# Altium PCB PiMX8MPIO_r0.1.PcbDoc (part 2 of 5)
Units mm, origin at the board's own origin, x right, y up, seen from the top; angles counter-clockwise.
Board outline 55 x 40 mm, 8 copper layers (L1 Top, L2 GND, L3 SIG, L4 GND, L5 (PWR), L6 SIG, L7 GND, L8 SIG), stack 1.624 mm thick; 131 components, 147 nets, 777 pads, 700 vias.
Unrouted connection lines stored in the file: 1.
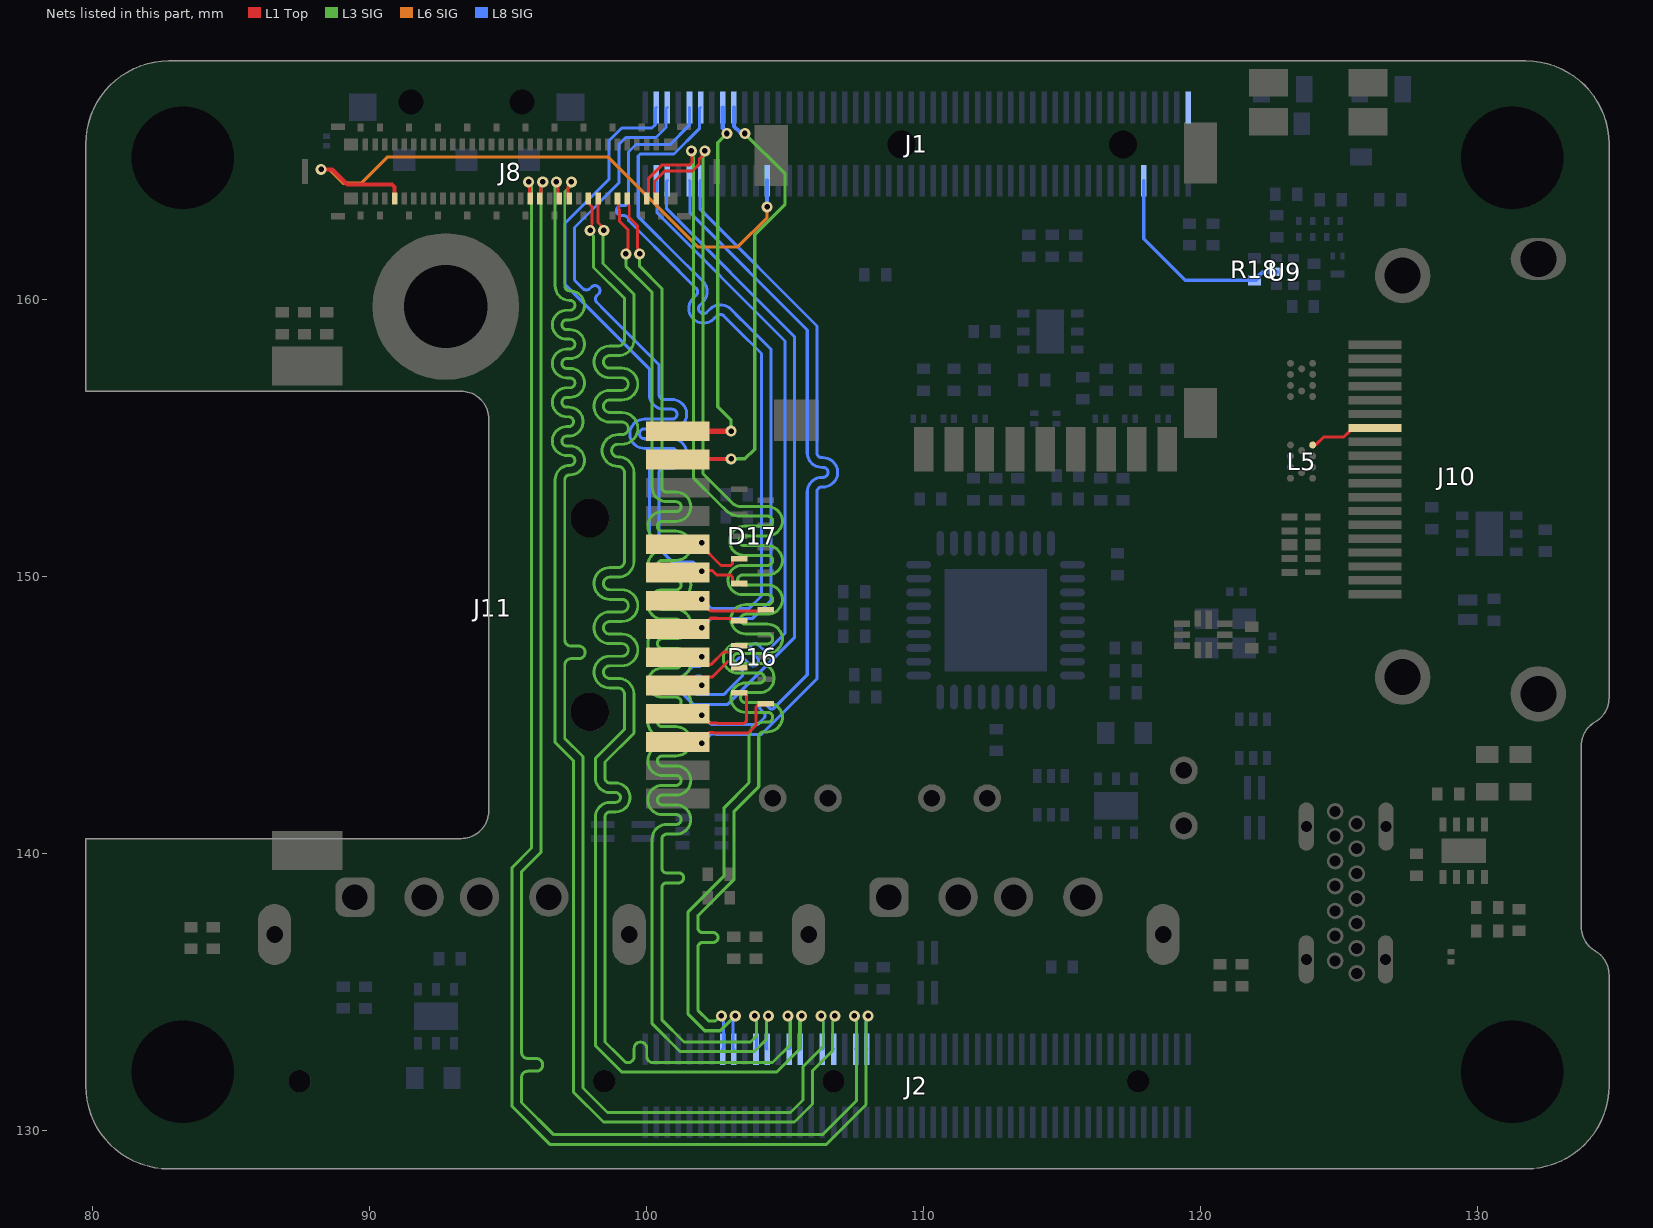
[diagram p8: the nets of this part, all layers, seen from the top]

## Via types
v1: diameter 0.4, hole 0.2, L1 Top to L8 SIG, tented both sides, 700 vias

## Nets (pads, with @x,y where several pads share a name; then routed paths per layer and width w, separated by ;. In a path a pad name is that pad's centre, name@x,y a point inside that pad or via, vN(x,y) a via of type N, cw(c..) or ccw(c..) an arc to the next point about the centre after c; other vN are vias at no path point) (continued)
CON_HDMI_TX0_ESD_P: J10.7 L5.A1 | length 2.5
  L1 Top w0.109: L5.A1@124.05,154.746 124.077,154.773 124.183,154.773 124.447,155.037 125.17,155.037 125.29,155.157 125.294,155.157 125.5,155.362 J10.7@126.3,155.362
CPU_RUN_PG: J1.92 R18.2 U9.2 | length 7.7
  L8 SIG w0.123: J1.92@117.95,164.292 117.95,162.196 119.445,160.701 R18.2@121.95,160.701 R18.2@122,160.701
  L8 SIG w0.15: R18.2@122,160.701 122.115,160.816 122.115,160.861 122.25,160.996 U9.2@122.75,160.996
CSI_CLK_N: J2.27 J8.13 | length 52.7
  L1 Top w0.105: J8.13@98.25,163.646 98.25,163.276 98.25,162.777 98.455,162.573 v1(98.455,162.496)
  L3 SIG w0.105: v1(98.455,162.496) 98.431,162.473 98.431,161.303 99.545,160.189 99.545,159.572 99.545,158.547 cw(c98.973,158.547) 98.973,157.975 98.671,157.975 ccw(c98.671,157.747) 98.671,157.52 99.11,157.52 cw(c99.11,156.947) 99.11,156.375 98.671,156.375 ccw(c98.671,156.147) 98.671,155.92 99.11,155.92 cw(c99.11,155.347) 99.11,154.775 98.965,154.775 ccw(c98.965,154.547) 98.965,154.32 98.973,154.32 cw(c98.973,153.747) 99.545,153.747 99.545,150.547 cw(c98.973,150.547) 98.973,149.975 98.671,149.975 ccw(c98.671,149.747) 98.671,149.52 99.11,149.52 cw(c99.11,148.947) 99.11,148.375 98.671,148.375 ccw(c98.671,148.147) 98.671,147.92 99.11,147.92 cw(c99.11,147.347) 99.11,146.775 98.671,146.775 ccw(c98.671,146.547) 98.671,146.32 98.973,146.32 cw(c98.973,145.747) 99.545,145.747 99.545,145.049 99.545,144.341 98.5,143.296 98.5,142.946 98.5,142.721 ccw(c98.678,142.721) 98.678,142.544 98.879,142.544 cw(c98.879,142.021) 98.879,141.499 98.678,141.499 ccw(c98.678,141.321) 98.5,141.321 98.5,139.932 98.5,133.196 99,132.696 99.25,132.446 99.323,132.446 ccw(c99.323,132.674) 99.551,132.674 99.551,132.963 cw(c99.778,132.963) 100.006,132.963 100.006,132.674 ccw(c100.233,132.674) 100.233,132.446 100.741,132.446 104.55,132.446 105.178,133.074 105.178,133.927 105.156,133.948 105.156,134.08 v1(105.1,134.136)
  L8 SIG w0.105: J2.27@105.15,132.932 105.198,132.98 105.198,133.504 105.205,133.511 105.205,133.727 105.205,133.929
CSI_CLK_P: J2.29 J8.15 | length 52.7
  L1 Top w0.105: J8.15@97.9,163.646 97.948,163.599 97.948,163.427 98.008,163.367 98.008,163.362 98.025,163.345 98.025,163.183 98.025,162.751 98.021,162.747 98.021,162.598 v1@97.965,162.542
  L3 SIG w0.105: v1(97.965,162.496) 97.965,162.417 98.086,162.295 98.086,161.16 99.2,160.046 99.2,159.572 99.2,158.547 cw(c98.973,158.547) 98.973,158.32 98.671,158.32 ccw(c98.671,157.747) 98.671,157.175 99.11,157.175 cw(c99.11,156.947) 99.11,156.72 98.671,156.72 ccw(c98.671,156.147) 98.671,155.575 99.11,155.575 cw(c99.11,155.347) 99.11,155.12 98.965,155.12 ccw(c98.965,154.547) 98.965,153.975 98.973,153.975 cw(c98.973,153.747) 99.2,153.747 99.2,150.547 cw(c98.973,150.547) 98.973,150.32 98.671,150.32 ccw(c98.671,149.747) 98.671,149.175 99.11,149.175 cw(c99.11,148.947) 99.11,148.72 98.671,148.72 ccw(c98.671,148.147) 98.671,147.575 99.11,147.575 cw(c99.11,147.347) 99.11,147.12 98.671,147.12 ccw(c98.671,146.547) 98.671,145.975 98.973,145.975 cw(c98.973,145.747) 99.2,145.747 99.2,145.049 99.2,144.484 98.155,143.439 98.155,142.946 98.155,142.721 ccw(c98.678,142.721) 98.678,142.199 98.879,142.199 cw(c98.879,142.021) 98.879,141.844 98.678,141.844 ccw(c98.678,141.321) 98.155,141.321 98.155,139.932 98.155,133.053 99.107,132.101 104.693,132.101 105.523,132.931 105.523,133.927 105.544,133.948 105.544,134.08 v1(105.6,134.136)
  L8 SIG w0.105: J2.29@105.55,132.932 105.55,133.584 105.55,133.929
CSI_D0_N: J2.15 J8.1 | length 53.1
  L1 Top w0.105: J8.1@100.35,163.646 100.303,163.694 100.303,163.865 100.288,163.88 100.288,164.266 100.659,164.637 101.654,164.637 101.9,164.883 101.9,165.078 102.105,165.283 v1(102.105,165.362)
  L3 SIG w0.109: v1(102.105,165.362) 102.05,165.307 102.05,165.168 102.035,165.153 102.035,153.712 102.989,152.757 103.094,152.652 103.096,152.65 ccw(c103.399,152.955) 103.399,152.526 104.374,152.526 cw(c104.374,151.997) 104.374,151.469 103.523,151.469 ccw(c103.523,151.289) 103.523,151.11 104.374,151.11 cw(c104.374,150.581) 104.374,150.053 103.465,150.053 ccw(c103.465,149.873) 103.465,149.694 104.374,149.694 cw(c104.374,149.165) 104.374,148.637 103.573,148.637 ccw(c103.573,148.457) 103.393,148.457 ccw(c103.573,148.457) 103.573,148.278 104.374,148.278 cw(c104.374,147.749) 104.374,147.221 103.297,147.221 ccw(c103.297,147.041) 103.297,146.862 104.077,146.862 cw(c104.077,146.333) 104.077,145.805 103.571,145.805 ccw(c103.571,145.625) 103.571,145.446 104.374,145.446 cw(c104.374,144.917) 104.374,144.389 104.229,144.389 ccw(c104.229,144.209) 104.05,144.209 104.05,143.2 104.05,142.408 103.149,141.507 103.149,139.045 101.855,137.751 101.849,137.745 101.849,137.323 ccw(c102.029,137.323) 102.029,137.143 102.401,137.143 cw(c102.401,136.964) 102.401,136.784 102.029,136.784 ccw(c102.029,136.605) 101.849,136.605 101.849,134.755 101.849,134.341 102.243,133.947 102.491,133.947 102.68,134.136 v1(102.7,134.136)
  L8 SIG w0.109: J2.15@102.75,132.932 102.776,132.958 102.776,133.647 102.776,133.927
CSI_D0_P: J2.17 J8.3 | length 53.1
  L1 Top w0.105: J8.3@100,163.646 100.048,163.694 100.048,163.865 100.063,163.88 100.063,164.359 100.566,164.862 101.561,164.862 101.642,164.942 101.642,165.336 v1(101.615,165.362)
  L3 SIG w0.109: v1(101.615,165.362) 101.671,165.307 101.671,165.168 101.686,165.153 101.686,153.567 102.636,152.617 102.849,152.404 102.85,152.403 ccw(c103.399,152.955) 103.399,152.177 104.374,152.177 cw(c104.374,151.997) 104.374,151.818 103.523,151.818 ccw(c103.523,151.289) 103.523,150.761 104.374,150.761 cw(c104.374,150.581) 104.374,150.402 103.465,150.402 ccw(c103.465,149.873) 103.465,149.345 104.374,149.345 cw(c104.374,149.165) 104.374,148.986 103.573,148.986 ccw(c103.573,148.457) 103.045,148.457 ccw(c103.573,148.457) 103.573,147.929 104.374,147.929 cw(c104.374,147.749) 104.374,147.57 103.297,147.57 ccw(c103.297,147.041) 103.297,146.513 104.077,146.513 cw(c104.077,146.333) 104.077,146.154 103.571,146.154 ccw(c103.571,145.625) 103.571,145.097 104.374,145.097 cw(c104.374,144.917) 104.374,144.738 104.229,144.738 ccw(c104.229,144.209) 103.701,144.209 103.701,143.2 103.701,142.552 102.8,141.651 102.8,139.19 101.5,137.89 101.5,134.196 102.099,133.598 102.661,133.598 v1(103.2,134.136)
  L8 SIG w0.109: 103.125,133.927 103.125,133.792 103.125,132.958 J2.17@103.15,132.932
CSI_D1_N: J2.21 J8.7 | length 53
  L1 Top w0.105: J8.7@99.3,163.646 99.348,163.599 99.348,163.398 99.373,163.373 99.373,162.962 99.673,162.662 99.673,161.855 99.694,161.834 99.694,161.703 v1(99.75,161.646)
  L3 SIG w0.108: v1(99.75,161.646) 99.75,161.196 100.548,160.398 100.548,153.454 100.548,153.226 ccw(c100.727,153.226) 100.727,153.047 101.07,153.047 cw(c101.07,152.52) 101.597,152.52 cw(c101.07,152.52) 101.07,151.993 100.571,151.993 ccw(c100.571,151.814) 100.392,151.814 ccw(c100.571,151.814) 100.571,151.635 101.07,151.635 cw(c101.07,151.108) 101.597,151.108 cw(c101.07,151.108) 101.07,150.581 100.571,150.581 ccw(c100.571,150.402) 100.392,150.402 ccw(c100.571,150.402) 100.571,150.223 101.069,150.223 cw(c101.069,149.696) 101.596,149.696 cw(c101.069,149.696) 101.069,149.169 100.571,149.169 ccw(c100.571,148.99) 100.392,148.99 ccw(c100.571,148.99) 100.571,148.811 101.069,148.811 cw(c101.069,148.284) 101.596,148.284 cw(c101.069,148.284) 101.069,147.757 100.57,147.757 ccw(c100.57,147.578) 100.391,147.578 ccw(c100.57,147.578) 100.57,147.399 101.069,147.399 cw(c101.069,146.872) 101.596,146.872 cw(c101.069,146.872) 101.069,146.345 100.57,146.345 ccw(c100.57,146.166) 100.391,146.166 ccw(c100.57,146.166) 100.57,145.987 101.068,145.987 cw(c101.068,145.46) 101.595,145.46 cw(c101.068,145.46) 101.068,144.933 100.57,144.933 ccw(c100.57,144.754) 100.391,144.754 ccw(c100.57,144.754) 100.57,144.575 101.068,144.575 cw(c101.068,144.048) 101.595,144.048 cw(c101.068,144.048) 101.068,143.521 100.569,143.521 ccw(c100.569,143.342) 100.39,143.342 ccw(c100.569,143.342) 100.569,143.163 101.068,143.163 cw(c101.068,142.636) 101.595,142.636 cw(c101.068,142.636) 101.068,142.109 100.569,142.109 ccw(c100.569,141.93) 100.39,141.93 ccw(c100.569,141.93) 100.569,141.751 101.068,141.751 cw(c101.068,141.224) 101.595,141.224 cw(c101.068,141.224) 101.068,140.697 100.727,140.697 ccw(c100.727,140.518) 100.548,140.518 100.548,139.909 100.548,139.896 100.548,139.474 ccw(c100.727,139.474) 100.727,139.295 101.161,139.295 cw(c101.161,139.116) 101.34,139.116 cw(c101.161,139.116) 101.161,138.937 100.727,138.937 ccw(c100.727,138.758) 100.548,138.758 100.548,138.346 100.548,133.998 101.352,133.194 103.748,133.194 103.976,133.422 103.976,133.927 103.956,133.947 103.956,134.081 v1(103.9,134.136)
  L8 SIG w0.108: J2.21@103.95,132.932 103.976,132.958 103.976,133.927
CSI_D1_P: J2.23 J8.9 | length 52.9
  L1 Top w0.105: J8.9@98.95,163.646 98.985,163.612 98.985,163.273 99.028,163.23 99.028,162.819 99.328,162.519 99.328,161.855 99.306,161.834 99.306,161.703 v1(99.25,161.646)
  L3 SIG w0.108: v1(99.25,161.646) 99.25,161.204 100.2,160.254 100.2,153.454 100.2,153.226 ccw(c100.727,153.226) 100.727,152.699 101.07,152.699 cw(c101.07,152.52) 101.249,152.52 cw(c101.07,152.52) 101.07,152.341 100.571,152.341 ccw(c100.571,151.814) 100.044,151.814 ccw(c100.571,151.814) 100.571,151.287 101.07,151.287 cw(c101.07,151.108) 101.249,151.108 cw(c101.07,151.108) 101.07,150.929 100.571,150.929 ccw(c100.571,150.402) 100.044,150.402 ccw(c100.571,150.402) 100.571,149.875 101.069,149.875 cw(c101.069,149.696) 101.248,149.696 cw(c101.069,149.696) 101.069,149.517 100.571,149.517 ccw(c100.571,148.99) 100.044,148.99 ccw(c100.571,148.99) 100.571,148.463 101.069,148.463 cw(c101.069,148.284) 101.248,148.284 cw(c101.069,148.284) 101.069,148.105 100.57,148.105 ccw(c100.57,147.578) 100.043,147.578 ccw(c100.57,147.578) 100.57,147.051 101.069,147.051 cw(c101.069,146.872) 101.248,146.872 cw(c101.069,146.872) 101.069,146.693 100.57,146.693 ccw(c100.57,146.166) 100.043,146.166 ccw(c100.57,146.166) 100.57,145.639 101.068,145.639 cw(c101.068,145.46) 101.247,145.46 cw(c101.068,145.46) 101.068,145.281 100.57,145.281 ccw(c100.57,144.754) 100.043,144.754 ccw(c100.57,144.754) 100.57,144.227 101.068,144.227 cw(c101.068,144.048) 101.247,144.048 cw(c101.068,144.048) 101.068,143.869 100.569,143.869 ccw(c100.569,143.342) 100.042,143.342 ccw(c100.569,143.342) 100.569,142.815 101.068,142.815 cw(c101.068,142.636) 101.247,142.636 cw(c101.068,142.636) 101.068,142.457 100.569,142.457 ccw(c100.569,141.93) 100.042,141.93 ccw(c100.569,141.93) 100.569,141.403 101.068,141.403 cw(c101.068,141.224) 101.247,141.224 cw(c101.068,141.224) 101.068,141.045 100.727,141.045 ccw(c100.727,140.518) 100.2,140.518 100.2,139.909 100.2,133.854 101.208,132.846 103.892,132.846 104.324,133.278 104.324,133.927 104.344,133.947 104.344,134.081 v1(104.4,134.136)
  L8 SIG w0.108: 104.324,133.927 104.324,132.958 J2.23@104.35,132.932
CSI_D2_N: J2.33 J8.19 | length 52.4
  L1 Top w0.105: 97.161,164.073 97.161,163.685 J8.19@97.2,163.646
  L3 SIG w0.105: v1(97.282,164.246) 97.226,164.19 97.226,164.063 97.045,163.882 97.045,163.839 97.045,160.715 97.045,160.49 ccw(c97.223,160.49) 97.223,160.312 97.235,160.312 cw(c97.235,159.79) 97.235,159.267 97.117,159.267 ccw(c97.117,159.09) 97.117,158.912 97.235,158.912 cw(c97.235,158.39) 97.235,157.867 97.117,157.867 ccw(c97.117,157.69) 97.117,157.512 97.235,157.512 cw(c97.235,156.99) 97.235,156.467 97.117,156.467 ccw(c97.117,156.29) 97.117,156.112 97.185,156.112 cw(c97.185,155.59) 97.185,155.067 97.117,155.067 ccw(c97.117,154.89) 97.117,154.712 97.235,154.712 cw(c97.235,154.19) 97.235,153.667 97.223,153.667 ccw(c97.223,153.49) 97.045,153.49 97.045,152.746 97.045,148.789 97.045,147.714 ccw(c97.273,147.714) 97.273,147.486 97.553,147.486 cw(c97.553,147.259) 97.553,147.031 97.273,147.031 ccw(c97.273,146.804) 97.045,146.804 97.045,146.296 97.045,144.151 97.7,143.496 97.7,131.534 98.588,130.646 105.2,130.646 105.65,131.096 105.65,132.296 106.377,133.024 106.377,133.927 106.356,133.948 106.356,134.08 v1(106.3,134.136)
  L8 SIG w0.105: J2.33@106.35,132.932 106.378,132.96 106.378,133.651 106.377,133.927
CSI_D2_P: J2.35 J8.21 | length 52.4
  L1 Top w0.105: v1@96.803,164.099 96.803,163.789 96.897,163.694 J8.21@96.85,163.646
  L3 SIG w0.105: v1(96.745,164.246) 96.7,164.201 96.7,163.944 96.7,163.839 96.7,160.715 96.7,160.49 ccw(c97.223,160.49) 97.223,159.967 97.235,159.967 cw(c97.235,159.79) 97.235,159.612 97.117,159.612 ccw(c97.117,159.09) 97.117,158.567 97.235,158.567 cw(c97.235,158.39) 97.235,158.212 97.117,158.212 ccw(c97.117,157.69) 97.117,157.167 97.235,157.167 cw(c97.235,156.99) 97.235,156.812 97.117,156.812 ccw(c97.117,156.29) 97.117,155.767 97.185,155.767 cw(c97.185,155.59) 97.185,155.412 97.117,155.412 ccw(c97.117,154.89) 97.117,154.367 97.235,154.367 cw(c97.235,154.19) 97.235,154.012 97.223,154.012 ccw(c97.223,153.49) 96.7,153.49 96.7,152.746 96.7,144.008 97.355,143.353 97.355,131.391 98.445,130.301 105.343,130.301 105.995,130.953 105.995,132.153 106.722,132.881 106.722,133.927 106.744,133.948 106.744,134.08 v1(106.8,134.136)
  L8 SIG w0.105: 106.722,133.927 106.722,133.794 106.723,132.96 J2.35@106.75,132.932
CSI_D3_N: J2.39 J8.25 | length 52.5
  L1 Top w0.108: J8.25@96.15,163.646 96.196,163.692 96.196,164.192 v1(96.25,164.246)
  L3 SIG w0.108: v1(96.25,164.246) 96.194,164.191 96.194,140.048 95.485,139.339 95.485,133.246 95.485,132.824 ccw(c95.714,132.824) 95.714,132.595 96.021,132.595 cw(c96.021,132.366) 96.25,132.366 cw(c96.021,132.366) 96.021,132.137 95.714,132.137 ccw(c95.714,131.908) 95.485,131.908 95.485,131.396 95.485,131.011 96.65,129.846 106.35,129.846 107.576,131.072 107.576,133.927 107.556,133.947 107.556,134.081 v1(107.5,134.136)
  L8 SIG w0.108: J2.39@107.55,132.932 107.576,132.958 107.576,133.648 107.576,133.927
CSI_D3_P: J2.41 J8.27 | length 52.5
  L1 Top w0.108: v1(95.741,164.246) 95.771,164.217 95.771,163.676 J8.27@95.8,163.646
  L3 SIG w0.108: v1(95.741,164.246) 95.741,164.167 95.846,164.062 95.846,140.193 95.137,139.483 95.137,130.867 96.506,129.498 106.494,129.498 107.924,130.928 107.924,133.927 107.944,133.947 107.944,134.081 v1(108,134.136)
  L8 SIG w0.108: 107.924,133.927 107.924,133.792 107.924,132.958 J2.41@107.95,132.932
ENET_ACTIVITY_nLED: J1.15 J11.14 | length 14
  L1 Top w0.2: J11.14@101.13,155.242 103.046,155.242 v1(103.05,155.246)
  L3 SIG w0.12: v1(102.9,165.993) 102.897,165.993 102.567,165.664 102.567,156.129 103.05,155.646 v1(103.05,155.246)
  L8 SIG w0.15: J1.15@102.75,166.932 102.75,166.197 102.9,166.047 v1(102.9,165.993)
ENET_LINK_nLED: J1.17 J11.13 | length 16.6
  L1 Top w0.15: J11.13@101.13,154.222 101.154,154.246 v1(103.05,154.246)
  L3 SIG w0.12: v1(103.05,154.246) 103.55,154.246 103.9,154.596 103.9,162.346 105,163.446 105,164.543 v1(103.55,165.993)
  L8 SIG w0.15: J1.17@103.15,166.932 103.159,166.923 103.159,166.253 103.371,166.041 103.502,166.041 v1(103.55,165.993)
ETH_TRX0_N: D16.9 J1.10 J11.4 | length 28.9
  L1 Top w0.109: v1(102,144.996) 102,144.962 102.256,144.707 102.544,144.707 102.557,144.694 103.525,144.694 103.602,144.771 103.602,145.687 103.596,145.694 103.596,145.751 103.55,145.796 D16.9@103.35,145.796
  L8 SIG w0.109: J1.10@101.55,164.292 101.576,164.267 101.576,163.127 105.801,158.902 105.801,154.696 105.801,154.467 ccw(c106.33,154.467) 106.33,153.939 106.373,153.939 cw(c106.373,153.759) 106.373,153.58 106.33,153.58 ccw(c106.33,153.051) 105.801,153.051 105.801,152.148 105.801,146.447 104.829,145.475 104.607,145.254 cw(c104.516,145.345) 104.424,145.254 104.302,145.376 ccw(c104.21,145.285) 104.119,145.376 ccw(c104.21,145.285) 104.119,145.193 104.241,145.071 cw(c104.149,144.979) 104.241,144.887 104,144.646 103.5,144.646 102.65,144.646 102.635,144.661 102.336,144.661 v1(102,144.996)
ETH_TRX0_P: D16.1 J1.12 J11.3 | length 29
  L1 Top w0.109: J11.3@102,144.102 102.256,144.358 102.4,144.358 102.413,144.345 103.67,144.345 103.951,144.626 103.951,145.287 104.015,145.351 104.255,145.351 D16.1@104.3,145.396
  L8 SIG w0.109: J1.12@101.95,164.292 101.925,164.267 101.925,163.272 106.15,159.046 106.15,154.696 106.15,154.467 ccw(c106.33,154.467) 106.33,154.288 106.373,154.288 cw(c106.373,153.759) 106.373,153.231 106.33,153.231 ccw(c106.33,153.051) 106.15,153.051 106.15,152.148 106.15,146.303 104.145,144.297 102.505,144.297 102.491,144.312 102.336,144.312 v1(102,143.976)
ETH_TRX1_N: D16.7 J1.6 J11.6 | length 28.1
  L1 Top w0.109: J11.6@101.13,147.082 101.383,146.83 102.333,146.83 102.775,147.271 103.061,147.271 103.125,147.335 103.125,147.451 103.17,147.496 D16.7@103.35,147.496
  L8 SIG w0.109: J1.6@100.75,164.292 100.725,164.267 100.725,163.272 105.349,158.647 105.349,147.802 102.93,145.383 101.686,145.383 101.288,145.781 101.288,146.372 101.668,146.752 101.921,146.752 101.985,146.816 101.985,147.081 v1(102,147.096)
ETH_TRX1_P: D16.8 J1.4 J11.5 | length 28.2
  L1 Top w0.109: J11.5@101.13,146.062 101.431,146.363 102.36,146.363 102.919,146.922 103.061,146.922 103.125,146.858 103.125,146.742 103.17,146.696 D16.8@103.35,146.696
  L8 SIG w0.109: J1.4@100.35,164.292 100.376,164.267 100.376,163.127 105,158.503 105,147.946 104.73,147.676 104.438,147.384 cw(c104.311,147.511) 104.184,147.384 104.044,147.523 ccw(c103.917,147.397) 103.79,147.523 ccw(c103.917,147.397) 103.79,147.27 103.983,147.077 cw(c103.856,146.95) 103.983,146.823 cw(c103.856,146.95) 103.729,146.823 103.536,147.016 ccw(c103.409,146.889) 103.283,147.016 ccw(c103.409,146.889) 103.283,146.762 103.422,146.622 cw(c103.295,146.495) 103.422,146.369 102.977,145.924 102.786,145.732 101.83,145.732 101.637,145.926 101.637,146.227 101.812,146.403 101.943,146.403 101.944,146.401 101.944,146.132 v1(102,146.076)
ETH_TRX2_N: D16.5 J1.9 J11.8 | length 28
  L1 Top w0.109: v1(102,149.172) 102,149.042 102.221,148.822 102.245,148.822 102.32,148.746 102.645,148.746 103.991,148.746 103.995,148.751 104.255,148.751 D16.5@104.3,148.796
  L8 SIG w0.109: J1.9@101.55,166.932 101.542,166.925 101.542,166.289 100.85,165.596 99.618,165.596 99.35,165.328 99.35,164.046 99.35,163.569 cw(c99.171,163.569) 99.171,163.389 99.091,163.389 ccw(c99.091,163.21) 99.091,163.03 99.171,163.03 cw(c99.171,162.851) 99.35,162.851 99.35,162.846 99.4,162.796 101.125,161.071 101.236,160.961 101.787,160.41 cw(c101.661,160.282) 101.788,160.155 101.681,160.048 ccw(c102.054,159.674) 101.681,159.301 ccw(c102.054,159.674) 102.428,159.301 ; v1(102,149.172) 102.336,148.837 103.691,148.837 104.15,149.296 104.15,158.046 103.25,158.946 103.139,159.057 102.79,159.407 ; 102.429,159.301 102.535,159.408 cw(c102.662,159.281) 102.789,159.407
ETH_TRX2_P: D16.6 J1.11 J11.7 | length 27
  L1 Top w0.109: v1(102,148.152) 102,148.182 102.309,148.491 102.539,148.491 103.025,148.491 103.074,148.442 103.305,148.442 D16.6@103.35,148.396
  L8 SIG w0.109: J1.11@101.95,166.932 101.905,166.887 101.905,166.162 100.993,165.25 100.687,165.25 100.684,165.247 99.763,165.247 99.699,165.183 99.699,162.991 101.372,161.318 101.483,161.207 102.034,160.656 102.085,160.604 102.085,160.596 cw(c101.661,160.282) 102.034,159.908 101.928,159.801 ccw(c102.054,159.674) 101.928,159.548 ccw(c102.054,159.674) 102.181,159.547 102.288,159.654 cw(c102.662,159.281) 102.976,159.705 102.984,159.705 103.036,159.654 103.386,159.304 103.497,159.193 104.499,158.191 104.499,149.152 103.835,148.488 102.336,148.488 v1(102,148.152)
ETH_TRX3_N: D17.4 J1.5 J11.10 | length 28.2
  L1 Top w0.109: J11.10@101.13,151.162 101.92,151.162 102.687,150.395 103.041,150.395 103.105,150.459 103.105,150.601 103.15,150.646 D17.4@103.35,150.646
  L8 SIG w0.109: J1.5@100.75,166.932 100.705,166.887 100.705,166.207 100.344,165.846 99.249,165.846 99,165.597 99,164.203 97.399,162.602 97.399,160.697 97.5,160.596 97.7,160.396 ccw(c97.827,160.523) 97.954,160.396 98.009,160.451 cw(c98.136,160.324) 98.263,160.451 cw(c98.136,160.324) 98.263,160.198 98.208,160.143 ccw(c98.335,160.016) 98.208,159.889 98.5,159.596 100.449,157.647 100.449,156.796 100.449,156.567 ccw(c100.628,156.567) 100.628,156.388 100.921,156.388 cw(c100.921,155.859) 100.921,155.331 99.922,155.331 ccw(c99.922,155.151) 99.922,154.972 100.921,154.972 cw(c100.921,154.443) 100.921,153.915 100.628,153.915 ccw(c100.628,153.735) 100.449,153.735 100.449,152.815 100.449,151.496 101.069,150.877 101.665,150.877 v1(102,151.212)
ETH_TRX3_P: D17.5 J1.3 J11.9 | length 28.1
  L1 Top w0.109: J11.9@101.13,150.142 101.308,150.321 102,150.321 102.106,150.214 102.375,150.214 102.542,150.046 103.041,150.046 103.105,149.983 103.105,149.792 103.15,149.746 D17.5@103.35,149.746
  L8 SIG w0.109: J1.3@100.35,166.932 100.317,166.9 100.317,166.314 100.199,166.195 99.104,166.195 98.651,165.742 98.651,164.347 97.05,162.746 97.05,160.553 100.1,157.503 100.1,156.796 100.1,156.567 ccw(c100.628,156.567) 100.628,156.039 100.921,156.039 cw(c100.921,155.859) 100.921,155.68 99.922,155.68 ccw(c99.922,155.151) 99.922,154.623 100.921,154.623 cw(c100.921,154.443) 100.921,154.264 100.628,154.264 ccw(c100.628,153.735) 100.1,153.735 100.1,152.815 100.1,151.352 100.924,150.528 101.665,150.528 v1(102,150.192)
FPC_PEWAKE0#_3P3: J1.24 J8.55 | length 23.2
  L1 Top w0.15: v1(88.25,164.696) 88.65,164.696 89.2,164.146 90.812,164.146 90.9,164.059 J8.55@90.9,163.646
  L6 SIG w0.12: v1(88.25,164.696) 88.55,164.696 89.05,164.196 89.7,164.196 90.65,165.146 98.6,165.146 101.85,161.896 103.3,161.896 104.35,162.946 v1(104.35,163.346)
  L8 SIG w0.15: v1(104.35,163.346) J1.24@104.35,164.292
GLOBAL_EN: J1.99